# KiCad board Thor_20_expansion.kicad_pcb (continued)
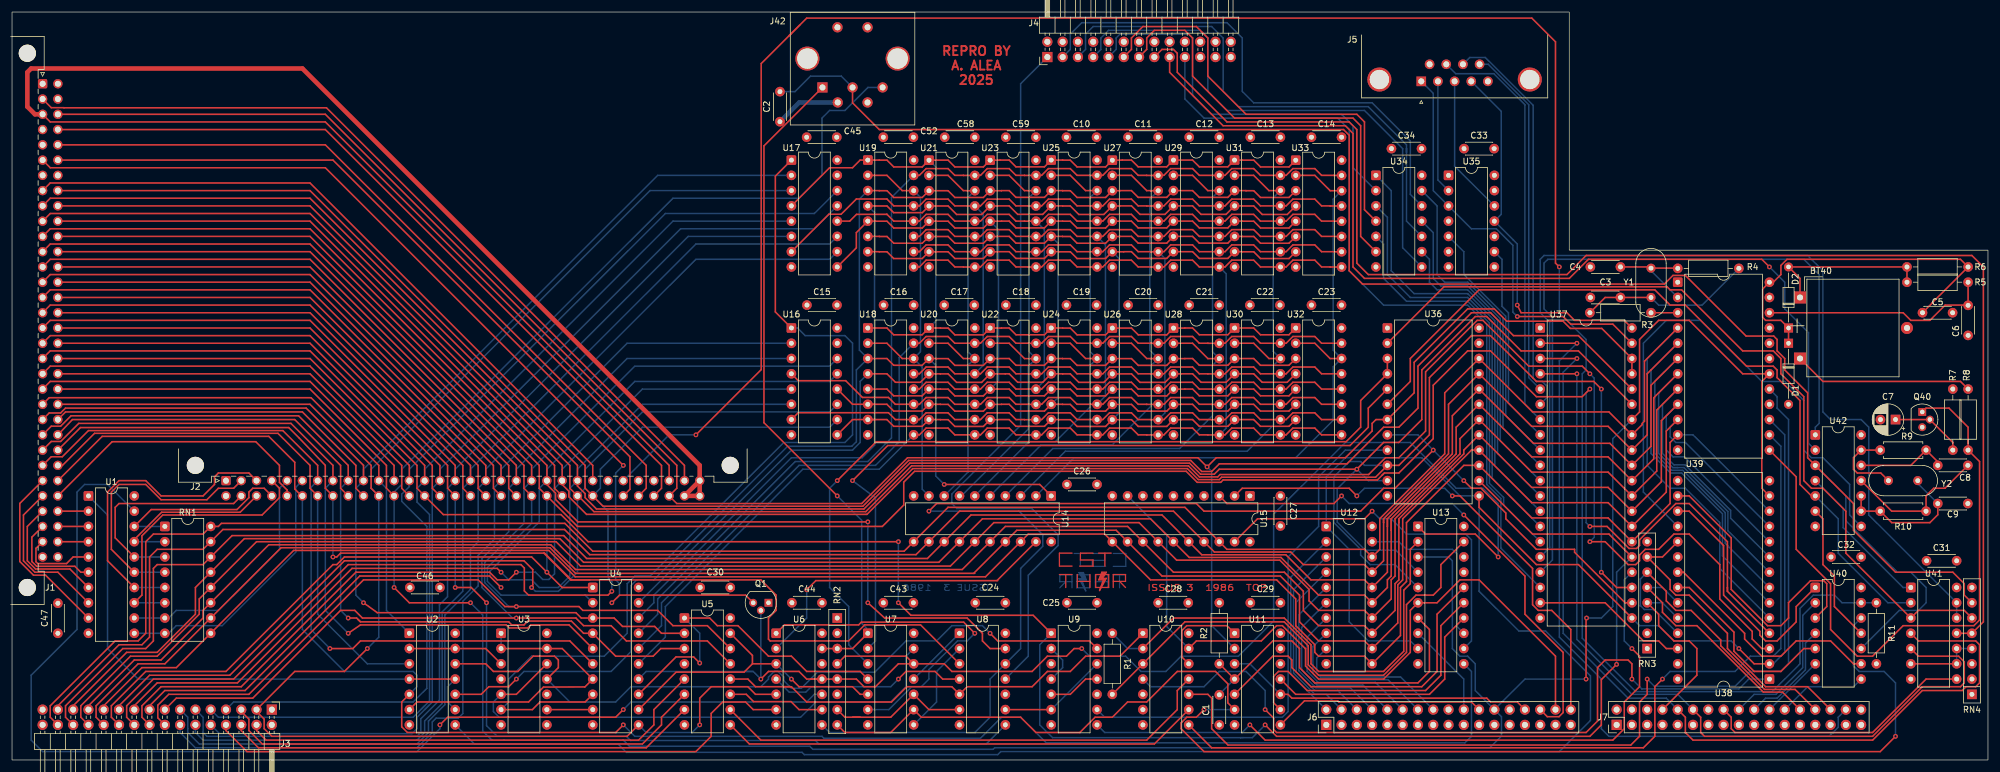
[diagram p0: board, top side]
## Nets (continued)
/Memory/RAS2BK1: U4.16 U18.15 U20.15 U22.15 U24.15 U26.15 U28.15 U30.15 U32.15
/Memory/RD0: U14.9 U18.2 U18.14 U19.2 U19.14
/Memory/RD1: U14.8 U20.2 U20.14 U21.2 U21.14
/Memory/RD2: U14.7 U22.2 U22.14 U23.2 U23.14
/Memory/RD3: U14.6 U24.2 U24.14 U25.2 U25.14
/Memory/RD4: U14.5 U26.2 U26.14 U27.2 U27.14
/Memory/RD5: U14.4 U28.2 U28.14 U29.2 U29.14
/Memory/RD6: U14.3 U30.2 U30.14 U31.2 U31.14
/Memory/RD7: U14.2 U32.2 U32.14 U33.2 U33.14
/Periferics/STROBE: J4.1 U8.11
/RED: J1.a21 J2.a12
/ROMOE: J1.b10 J2.b23
/RW: J1.b26 J2.b7 U2.3
/SP0: J1.a4
/SP1: J1.a5
/SP2: J1.a7
/SP3: J1.b7
/VSYNC: J1.b18 J2.b15
A0: J1.b11 J2.b22 J3.22 U4.1 U38.4
A1: J1.b9 J2.b24 J3.21 U16.11 U38.3
A2: J1.b8 J2.b25 J3.20 U16.10 U37.36
A3: J1.a9 J2.a24 J3.19 U13.4 U16.6 U36.11 U37.35
A4: J1.a10 J2.a23 J3.18 U13.5 U16.5 U36.10 U37.23
A5: J1.a11 J2.a22 J3.17 U8.13 U16.13
A6: J1.a12 J2.a21 J3.16 U5.14 U16.14
A7: J1.a13 J2.a20 J3.15 U5.13 U16.3
A8: J1.a14 J2.a19 J3.14 U16.2
A9: J1.a15 J2.a18 J3.13 U17.10
A10: J1.a16 J2.a17 J3.12 U17.11
A11: J1.a17 J2.a16 J3.11 U17.6
A12: J1.a18 J2.a15 J3.10 U17.13
A13: J1.a19 J2.a14 J3.9 U17.5
A14: J1.a20 J2.a13 J3.7 U17.14
A15: J1.b22 J2.b11 J3.3 U4.11 U6.5 U17.3
A16: J1.a23 J2.a10 U4.3 U5.2 U17.2
A17: J1.a24 J2.a9 U4.4 U5.3
A18: J1.a25 J2.a8 U4.5
A19: J1.a26 J2.a7 U4.6
ACK_HOLD: U11.5 U13.16
BLK1: U4.12 U5.15 U6.3 U7.5
CLKCPU: J1.a22 J2.a11 U2.1
CS1: U9.8 U37.24
CS2: U9.9 U36.9
DISC: R1.2 U10.2 U13.2
DS: U2.6 U3.1 U3.2 U3.13 U4.7
DS': J1.b27 J2.b6 U2.5 U13.11
DSMC: J2.a27 R11.2 U40.13
DTACK: J1.b25 J2.b8 U8.3
E: J1.b19 J2.b14 U9.1 U36.14 U37.25
EN: Q1.2 RN2.4 RN2.5 U4.14 U6.11 U7.12 U13.1
EXTINT: J1.b3 J2.b30 U11.2 U36.7 U37.37 U37.38
FC0: J1.b12 J2.b21 U4.2
FDC_DDEN: U37.19 U38.26
FDC_DS0': J7.10 U37.3 U41.4
FDC_DS1': J7.12 U37.4 U41.5
FDC_SIDE: J7.32 U37.2
LD0: J3.30 RN1.16 U12.18 U14.11 U15.18 U36.22 U37.33 U38.5 U39.4
LD1: J3.29 RN1.15 U12.17 U14.12 U15.17 U36.21 U37.32 U38.6 U39.5
LD2: J3.28 RN1.14 U12.16 U14.13 U15.16 U36.20 U37.31 U38.7 U39.6
LD3: J3.27 RN1.13 U12.15 U14.14 U15.15 U36.19 U37.30 U38.8 U39.7
LD4: J3.26 RN1.12 U12.14 U14.15 U15.14 U36.18 U37.29 U38.9 U39.8
LD5: J3.25 RN1.11 U12.13 U14.16 U15.13 U36.17 U37.28 U38.10 U39.9
LD6: J3.24 RN1.10 U12.12 U14.17 U15.12 U36.16 U37.27 U38.11 U39.10
LD7: J3.23 RN1.9 U12.11 U14.18 U15.11 U36.15 U37.26 U38.12 U39.11
PSEL: U3.6 U4.8 U16.1 U17.1
QL_DSMC: J1.a6 Q1.3
RAM: U3.9 U4.9
RAM_RW: U2.10 U14.1 U18.3 U19.3 U20.3 U21.3 U22.3 U23.3 U24.3 U25.3 U26.3 U27.3 U28.3 U29.3 U30.3 U31.3 U32.3 U33.3
RESET: J1.b21 J2.b12 J6.24 J42.3 U13.3 U37.34 U38.13 U39.18
RTC_AS: U10.8 U39.14
RTC_DS: U10.10 U39.17
VPA: J1.b17 J2.b16 U8.8
XXX_RW: U2.8 U12.1 U13.9 U36.13 U37.21 U38.2 U39.15
Net-(BT40-+): BT40.1 D2.2 R5.2 R6.1 R8.1
Net-(C3-Pad1): C3.1 R3.1 R4.2 Y1.1
Net-(C8-Pad1): C8.1 R9.1 U42.12
Net-(C8-Pad2): C8.2 R10.1 U42.11
Net-(C9-Pad2): C9.2 R10.2 U42.9 U42.10 Y2.2
Net-(D1-K): C5.1 D1.1 D2.1 R5.1 U39.24
Net-(J4-Pin_3): J4.3 U34.12
Net-(J4-Pin_5): J4.5 U34.10
Net-(J4-Pin_7): J4.7 U34.8
Net-(J4-Pin_9): J4.9 U34.2
Net-(J4-Pin_11): J4.11 U34.4
Net-(J4-Pin_13): J4.13 U34.6
Net-(J4-Pin_15): J4.15 RN4.5 U41.11
Net-(J4-Pin_17): J4.17 U42.2
Net-(J4-Pin_19): J4.19 U37.18
Net-(J6-Pin_2): J6.2 U12.2
Net-(J6-Pin_4): J6.4 U12.3
Net-(J6-Pin_6): J6.6 U12.4
Net-(J6-Pin_8): J6.8 U12.5
Net-(J6-Pin_10): J6.10 U12.6
Net-(J6-Pin_12): J6.12 U12.7
Net-(J6-Pin_14): J6.14 U12.8
Net-(J6-Pin_16): J6.16 U12.9
Net-(J6-Pin_30): J6.30 U15.3
Net-(J6-Pin_34): J6.34 U15.2
Net-(J7-Pin_8): J7.8 RN3.4 U38.24
Net-(J7-Pin_16): J7.16 U41.8
Net-(J7-Pin_18): J7.18 U40.2
Net-(J7-Pin_20): J7.20 U40.4
Net-(J7-Pin_22): J7.22 U40.6
Net-(J7-Pin_24): J7.24 U40.8
Net-(J7-Pin_26): J7.26 RN3.5 U38.23
Net-(J7-Pin_28): J7.28 RN3.6 U38.25
Net-(J7-Pin_30): J7.30 RN3.7 U38.19
Net-(Q40-B): C7.1 Q40.2 R7.2
Net-(Q40-C): Q40.1 R8.2 U39.13
Net-(R9-Pad2): R9.2 U42.13 Y2.1
Net-(RN2B-R2.2): J42.1 RN2.3 U6.13 U7.1
Net-(RN2F-R6.2): RN2.7 U7.10 U8.6
Net-(RN2G-R7.2): RN2.8 U7.9 U11.6 U40.12
Net-(RN4C-R3.2): RN4.4 U41.6 U41.9 U41.10
Net-(RN4E-R5.2): RN4.6 U36.2 U41.3
Net-(RN4F-R6.2): C2.2 J42.2 RN4.7 U40.10 U42.3
Net-(U1-A->B): U1.1 U2.4 U2.9 U2.11
Net-(U1-CE): U1.19 U6.10
Net-(U3A-C): U2.2 U2.13 U3.3
Net-(U3A-Q): U3.5 U3.12 U7.13
Net-(U5B-O1): U5.11 U6.9
Net-(U5B-O2): U5.10 U10.11
Net-(U5B-O3): U5.9 U10.9
Net-(U6-Pad1): U6.1 U7.6
Net-(U6-Pad4): U6.4 U8.4
Net-(U7-Pad8): U7.8 U8.2
Net-(U7-Pad11): U7.11 U8.1
Net-(U9A-Q): U9.5 U9.11
Net-(U9A-~{Q}): U8.9 U9.6 U9.12
Net-(U10-Pad12): U10.12 U11.1
Net-(U12-CE): U12.19 U13.13
Net-(U13-I7): C1.2 R2.2 U11.4 U13.7
Net-(U13-IO1): R1.1 U10.3 U13.19
Net-(U13-IO5): U11.9 U13.15
Net-(U13-IO6): U11.11 U13.14
Net-(U13-IO8): U13.12 U15.19
Net-(U35A-C): J5.1 U35.3 U37.39
Net-(U35A-D): J5.2 U35.2
Net-(U35A-Q): U35.5 U37.9
Net-(U35B-C): J5.4 U35.11 U37.40
Net-(U35B-D): J5.3 U35.12
Net-(U35B-Q): U35.9 U37.8
Net-(U36-Rx_CLK): U7.3 U36.3 U36.4
Net-(U36-Tx_Data): U36.6 U41.2 U42.5
Net-(U36-~{CTS}): U6.12 U36.24
Net-(U36-~{RTS}): U7.2 U36.5
Net-(U37-PA3): J5.9 U37.5
Net-(U37-PA4): J5.8 U37.6
Net-(U37-PA5): J5.7 U37.7
Net-(U37-PB0): U34.13 U37.10
Net-(U37-PB1): U34.11 U37.11
Net-(U37-PB2): U34.9 U37.12
Net-(U37-PB3): U34.1 U37.13
Net-(U37-PB4): U34.3 U37.14
Net-(U37-PB5): U34.5 U37.15
Net-(U37-PB6): U37.16 U41.12 U41.13
Net-(U37-PB7): U37.17 U42.1
Net-(U38-CLK): U38.18 U42.8
Net-(U38-DIRC): U38.17 U40.1
Net-(U38-STEP): U38.16 U40.3
Net-(U38-WD): U38.22 U40.5
Net-(U38-WG): U38.21 U40.9
Net-(U38-~{CS}): U10.4 U38.1
Net-(U39-PS): C6.1 R6.2 U39.22
Net-(U39-X_in): C4.1 R4.1 U39.2 Y1.2
Net-(U39-X_out): R3.2 U39.3
Net-(U40-Pad11): U40.11 U42.6
Net-(U41-Pad1): U41.1 U42.4

Pads without a net: J4 21 23 25 26; J6 18 26; J7 2 4 6 14 34; J42 0 9; RN2 2 6; RN3 2 3 8; RN4 2 3 8; U3 8; U5 4; U10 6; U11 12; U13 17 18; U35 6 8; U38 20 27 28; U39 1 16 19 20 21 23

## Via types
v1: diameter 0.8, hole 0.4, Top to Bottom, 79 vias

## Routing (per net, layer and track width the routed paths; a pad name or vN(x,y) marks a point on that pad's centre or on a via; arc(x,y) is an arc through that point)
+5V: length 6.7
  Bottom w0.25: U9.4 174.62,15.37 174.62,16.64 U9.2
+12V: length 290.2
  Top w0.25: J2.a30 109.22,49.02 52.07,106.17 6.35,106.17 J1.a3
  Top w0.75: J1.a3 3.81,107.44 2.54,108.71 2.54,114.43 3.17,115.06 48.26,115.06 114.3,49.02 J2.a32 ; J2.a32 J2.b32 J2.b31 J2.a32
-12V: length 134.5
  Top w0.25: J2.a31 111.76,49.02 52.25,108.53 8.64,108.53 8.62,108.54 6.52,108.54 J1.a2
GND: length 10.9
  Bottom w0.75: C2.1 130.83,109.41 J42.4
68XX: length 226.2
  Top w0.25: v1(241.3,46.48) 242.57,45.21 244.16,45.21 248.28,41.09 248.28,40.13 253.36,35.05 259.72,35.05 259.72,34.56 268.11,26.16 U37.22 ; v1(152.4,41.4) 153.67,42.67 196.85,42.67 198.12,41.4 224.16,41.4 227.97,45.21 229.87,45.21 v1(236.22,51.56)
  Bottom w0.25: U36.8 233.68,54.1 v1(236.22,51.56) v1(241.3,46.48) ; v1(152.4,41.4) 167.39,41.4 171.32,37.47 171.32,35.56 167.64,31.88 167.64,18.54 162.56,13.46 162.56,7.11 160.02,4.57 135.89,4.57 U6.8
/AS: length 47.8
  Top w0.25: J1.b28 16.64,52.96 40.51,52.96 44.45,49.02 44.45,46.19 45.72,44.92 J2.b5
/BERR: length 125.5
  Top w0.25: J1.b5 52.07,102.36 105.41,49.02 105.41,45.21 J2.b28
/BG: length 56.8
  Top w0.25: J1.b24 10.03,56.64 46.99,56.64 54.61,49.02 54.61,45.21 J2.b9
/BLUE: length 87
  Top w0.25: J2.b18 77.47,45.21 77.47,49.02 49.53,76.96 J1.b15
/BR: length 59.3
  Top w0.25: J2.b10 57.15,45.21 57.15,49.02 48.26,57.91 8.89,57.91 J1.b23
/CSYNC: length 69.1
  Top w0.25: J1.b20 49.53,64.26 64.77,49.02 64.77,45.21 J2.b13
/D0: length 5.1
  Top w0.25: J1.b29 12.7,41.4
/D1: length 5.1
  Top w0.25: J1.b30 U1.3
/D2: length 5.1
  Top w0.25: J1.b31 U1.4
/D3: length 13.1
  Top w0.25: 12.7,33.78 10.16,33.78 9.06,32.68 4.28,32.68 3.98,32.98 3.98,35.22 J1.a31
/D4: length 16.7
  Top w0.25: J1.a30 3.3,37.08 3.3,33.02 4.09,32.23 10.44,32.23 11.43,31.24 12.7,31.24
/D5: length 21.3
  Top w0.25: J1.a29 2.54,38.86 2.54,33.14 3.9,31.78 9.62,31.78 U1.7
/D6: length 25.8
  Top w0.25: J1.a28 1.9,40.76 1.9,33.14 3.8,31.24 7.62,31.24 U1.8
/D7: length 30.3
  Top w0.25: 12.7,23.62 5.57,30.75 3.57,30.75 1.28,33.03 1.28,42.69 J1.a27
/D'0: length 32.3
  Top w0.25: J2.b4 41.91,45.21 40.01,45.21 39.37,44.58 39.37,43.66 37.38,41.67 23.13,41.67 U1.18
  Bottom w0.25: U1.18 26.03,38.86
/D'1: length 29
  Top w0.25: 20.32,36.67 24.87,41.22 37.92,41.22 J2.b3
  Bottom w0.25: U1.17 26.03,36.32
/D'2: length 36.1
  Top w0.25: J2.b2 36.83,42.67 17.78,42.67 17.15,42.04 17.15,36.96 19.69,34.42
  Bottom w0.25: 20.32,33.78 26.03,33.78
/D'3: length 44.2
  Top w0.25: J2.a2 36.83,45.21 34.29,45.21 32.38,43.31 24.77,43.31 22.23,45.85 17.78,45.85 16.51,44.58 16.51,35.05 19.69,31.88
  Bottom w0.25: 20.32,31.24 26.03,31.24
/D'4: length 52
  Top w0.25: J2.a3 39.37,47.75 34.29,47.75 33.66,47.12 33.66,45.85 31.75,43.94 24.77,43.94 22.23,46.48 17.78,46.48 15.88,44.58 15.88,33.15 19.69,29.34
  Bottom w0.25: U1.14 26.03,28.7
/D'5: length 46.2
  Top w0.25: J2.a4 44.45,45.21 44.45,43.66 41.56,40.77 25.05,40.77 21.59,37.3 21.59,27.43 U1.13
  Bottom w0.25: U1.13 26.03,26.16
/D'6: length 40.8
  Bottom w0.25: 20.32,23.62 26.03,23.62 27.3,24.89 34.29,24.89 44.45,35.05 44.45,45.21 J2.a5
/D'7: length 44.8
  Bottom w0.25: J2.a6 47.16,45.38 47.16,34.59 34.93,22.35 27.3,22.35 26.03,21.08 20.32,21.08
/DBG: length 114
  Top w0.25: J1.a8 6.35,96.01 49.53,96.01 96.52,49.02 J2.a25
/discs interfaces/SCSI_ACK: length 35.3
  Top w0.25: J6.22 242.57,9.65 220.53,9.65 220.34,9.84 214.81,9.84 U11.8
/discs interfaces/SCSI_BUSY: length 15.9
  Bottom w0.25: J6.20 241.3,13.46 U13.8
/discs interfaces/SCSI_REQ: length 122.6
  Top w0.25: J6.32 256.54,17.27 243.84,29.97 240.66,29.97 236.85,26.16 U13.6 232.41,24.89 232.41,17.91 227.97,13.46 217.16,13.46 215,15.63 215,18.54 214.95,18.54 211.14,22.35 210.19,22.35 207.64,19.81 196.85,19.81 U10.13
  Bottom w0.25: U10.13 191.91,22.21 191.91,37.45 U15.9
/discs interfaces/SCSI_SEL: length 51.4
  Top w0.25: U11.10 212.09,10.92 212.72,10.29 245.11,10.29 245.74,9.65 250.19,9.65 J6.28
  Bottom w0.25: U11.10 205.74,16 U11.3
/FC1: length 94.2
  Top w0.25: J1.b13 49.53,82.04 82.55,49.02 82.55,45.21 J2.b20
/FC2: length 90.6
  Top w0.25: J2.b19 80.01,45.21 80.01,49.02 49.53,79.5 J1.b14
/Glue Logic/CLK_B: length 125.6
  Top w0.25: U3.11 90.81,15.37 90.81,16.64 90.17,17.27 86.61,17.27 84.07,14.73 80.01,14.73 78.74,16 U2.12 ; U9.13 179.07,19.81 163.83,19.81 v1(162.56,21.08)
  Bottom w0.25: v1(162.56,21.08) 161.29,22.35 156.21,22.35 153.67,19.81 148.59,19.81 143.38,14.6 133.86,14.6 131.19,11.94 129.54,11.94 128.27,13.21 128.27,13.78 127.32,14.73 126.68,14.73 125.73,13.78 125.73,13.46 124.46,12.19 102.87,12.19 100.33,9.65 92.71,9.65 U3.11
/Glue Logic/~{DISC}: length 77.1
  Top w0.25: 128.27,12.19 123.57,12.19 122.3,13.46 U5.12 ; 128.27,12.19 129.41,12.19 ; 128.27,12.19 129.54,12.19 132.08,9.65 146.18,9.65 148.72,12.19 156.21,12.19 U8.5 158.75,12.19 169.55,12.19 172.09,14.73 175.89,14.73 178.44,17.27 184.15,17.27 U10.1
/GREEN: length 83.4
  Top w0.25: J2.b17 74.93,45.21 74.93,49.02 49.53,74.42 J1.b16
/IPL0: length 122.5
  Top w0.25: J1.b6 53.34,99.82 102.7,50.46 102.7,45.04 J2.b27
/IPL1: length 129.1
  Top w0.25: J1.b4 52.07,104.9 107.95,49.02 107.95,45.21 J2.b29
/Memory/A15': length 99.7
  Top w0.25: U6.6 123.19,8.38 121.92,9.65 118.11,9.65 116.2,7.75 116.2,3.94 113.66,1.4 39.05,1.4 35.56,4.89 35.56,5.52
/Memory/BLK0: length 56.5
  Top w0.25: U7.4 140.97,14.73 132.08,14.73 129.54,17.27 125.73,17.27 120.65,22.35 117.22,22.35 115.95,23.62 U5.1 ; U4.13 110.36,17.14 113.28,17.14 v1(114.3,16.13)
  Bottom w0.25: U5.1 114.3,21.08 114.3,16
/Memory/CAS2BK0: length 179.9
  Top w0.25: 190.5,97.28 191.45,97.28 192.57,98.41 196.22,98.41 197.34,97.28 U29.15 201.61,97.28 202.73,98.41 206.38,98.41 207.5,97.28 U31.15 211.77,97.28 212.89,98.41 216.53,98.41 217.66,97.28 219.71,97.28 219.72,97.27 U33.15 ; U21.15 158.13,97.27 158.11,97.28 156.7,97.28 155.57,98.41 151.93,98.41 150.81,97.28 U19.15 ; U23.15 168.29,97.27 168.28,97.28 166.86,97.28 165.73,98.41 162.09,98.41 160.97,97.28 160.02,97.28 ; 170.18,97.28 171.13,97.28 172.25,98.41 175.89,98.41 177.02,97.28 U25.15 181.29,97.28 182.41,98.41 186.06,98.41 187.18,97.28 188.59,97.28 188.61,97.27 U27.15
  Bottom w0.25: U4.17 107.31,24.26 107.31,26.8 130.17,49.66 142.24,49.66 146.18,53.59 146.18,93.6 U19.15
/Memory/CAS2BK1: length 139.2
  Top w0.25: U32.4 211.94,62.85 207.79,62.85 206.38,64.26 U30.4 201.78,62.85 197.63,62.85 196.22,64.26 194.31,64.26 194.29,64.25 U28.4 191.63,62.83 187.48,62.83 186.06,64.25 U26.4 181.47,62.83 177.31,62.83 175.89,64.25 174.62,64.25 174.61,64.26 U24.4 171.31,62.85 167.15,62.85 165.73,64.26 165.1,64.26 165.08,64.25 U22.4 161.16,62.83 157,62.83 155.58,64.25 154.31,64.25 154.29,64.26 U20.4 150.98,62.85 146.83,62.85 145.41,64.26 U18.4
  Bottom w0.25: U4.19 129.54,51.56 139.7,51.56 140.97,52.83 140.97,62.99 U18.4
/Memory/NS1: length 78.4
  Top w0.25: 40.64,5.84 40.64,4.89 42.23,3.3 104.14,3.3 106.68,5.84 106.68,8.38 U5.5
/Memory/NS2: length 81.2
  Top w0.25: U5.6 107.95,7.11 107.95,5.84 104.78,2.67 41.59,2.67 39.37,4.89 39.37,6.79 38.1,8.06
/Memory/NS3: length 78.1
  Top w0.25: U5.7 105.41,2.03 40.96,2.03 38.1,4.89 38.1,5.52
/Memory/RA0: length 194.2
  Top w0.25: U17.9 140.33,85.22 140.33,87.76 U19.5 143.5,89.66 143.52,89.65 145.42,89.65 146.55,88.52 151.28,88.52 U21.5 155.58,89.65 156.71,88.52 161.44,88.52 U23.5 164.45,89.65 164.47,89.66 165.73,89.66 166.86,88.54 171.59,88.54 U25.5 174.61,89.66 174.62,89.65 175.89,89.65 177.02,88.52 181.75,88.52 U27.5 184.13,89.65 184.15,89.66 186.06,89.66 187.18,88.54 191.91,88.54 U29.5 196.22,89.66 197.34,88.54 202.07,88.54 U31.5 204.47,89.66 204.48,89.65 206.38,89.65 207.51,88.52 212.25,88.52 U33.5 ; U18.5 145.41,61.72 146.54,60.6 151.28,60.6 U20.5 154.29,61.72 154.31,61.71 155.58,61.71 156.71,60.58 161.44,60.58 U22.5 163.81,61.71 163.83,61.72 165.73,61.72 166.86,60.6 171.59,60.6 U24.5 173.97,61.72 173.99,61.71 175.89,61.71 177.02,60.58 181.75,60.58 U26.5 186.06,61.71 187.19,60.58 191.92,60.58 U28.5 194.93,61.71 194.94,61.72 196.22,61.72 197.34,60.6 202.07,60.6 U30.5 206.38,61.72 207.5,60.6 212.23,60.6 U32.5
  Bottom w0.25: U23.5 163.96,88.26 163.96,63.09 U22.5
/Memory/RA1: length 191.6
  Top w0.25: U16.12 139.7,59.18 143.51,59.18 ; U19.6 144.13,87.12 144.14,87.11 145.42,87.11 146.55,85.98 151.28,85.98 U21.6 155.58,87.11 156.71,85.98 161.44,85.98 U23.6 163.81,87.11 163.83,87.12 165.73,87.12 166.86,86 171.59,86 U25.6 174.61,87.12 174.62,87.11 175.89,87.11 177.02,85.98 181.75,85.98 U27.6 184.13,87.11 184.15,87.12 186.06,87.12 187.18,86 191.91,86 U29.6 196.22,87.12 197.34,86 202.07,86 U31.6 204.47,87.12 204.48,87.11 206.38,87.11 207.51,85.98 212.25,85.98 U33.6 ; 142.24,59.18 145.41,59.18 146.54,58.06 151.28,58.06 152.4,59.18 154.29,59.18 154.31,59.17 155.58,59.17 156.71,58.04 161.44,58.04 U22.6 164.45,59.17 164.47,59.18 165.73,59.18 166.86,58.06 171.59,58.06 172.72,59.18 174.61,59.18 174.62,59.17 175.89,59.17 177.02,58.04 181.75,58.04 U26.6 186.06,59.17 187.19,58.04 191.92,58.04 U28.6 194.29,59.17 194.31,59.18 196.22,59.18 197.34,58.06 202.07,58.06 203.2,59.18 206.38,59.18 207.5,58.06 212.23,58.06 213.36,59.18
  Bottom w0.25: 172.72,59.18 173.85,60.31 173.85,86 U25.6
/Memory/RA2: length 191.6
  Top w0.25: 143.51,56.64 139.7,56.64 U16.9 ; U32.7 212.23,55.52 207.5,55.52 206.38,56.64 U30.7 202.07,55.52 197.34,55.52 196.22,56.64 194.31,56.64 194.29,56.63 U28.7 191.92,55.5 187.19,55.5 186.06,56.63 U26.7 181.75,55.5 177.02,55.5 175.89,56.63 173.99,56.63 173.97,56.64 U24.7 171.59,55.52 166.86,55.52 165.73,56.64 163.83,56.64 163.81,56.63 U22.7 161.44,55.5 156.71,55.5 155.58,56.63 154.31,56.63 154.29,56.64 U20.7 151.28,55.52 146.54,55.52 145.41,56.64 U18.7 ; U33.7 212.25,83.44 207.51,83.44 206.38,84.57 204.48,84.57 204.47,84.58 U31.7 202.07,83.46 197.34,83.46 196.22,84.58 U29.7 191.91,83.46 187.18,83.46 186.06,84.58 184.78,84.58 184.77,84.57 U27.7 181.75,83.44 177.02,83.44 175.89,84.57 173.99,84.57 173.97,84.58 U25.7 171.59,83.46 166.86,83.46 165.73,84.58 163.83,84.58 163.81,84.57 U23.7 161.44,83.44 156.71,83.44 155.58,84.57 U21.7 151.28,83.44 146.55,83.44 145.42,84.57 144.14,84.57 144.13,84.58 U19.7
  Bottom w0.25: U27.7 184.01,83.44 184.01,57.75 U26.7
/Memory/RA3: length 198.1
  Top w0.25: U18.12 150.81,61.72 151.93,62.85 155.57,62.85 156.7,61.72 U20.12 160.97,61.72 162.09,62.85 165.73,62.85 166.86,61.72 168.91,61.72 168.92,61.71 U22.12 ; U27.12 189.25,89.65 189.23,89.66 187.18,89.66 186.06,90.79 182.41,90.79 181.29,89.66 U25.12 177.02,89.66 175.89,90.79 172.25,90.79 171.13,89.66 170.18,89.66 ; U17.12 139.23,89.66 140.35,90.79 145.4,90.79 145.41,90.8 146.56,89.66 U19.12 150.81,89.66 151.93,90.79 155.57,90.79 156.7,89.66 160.01,89.66 ; 190.5,89.66 191.45,89.66 192.57,90.79 196.22,90.79 197.34,89.66 U29.12 201.61,89.66 202.73,90.79 206.38,90.79 207.5,89.66 U31.12 211.77,89.66 212.89,90.79 216.53,90.79 217.66,89.66 219.71,89.66 219.72,89.65 U33.12 ; 170.18,61.72 171.13,61.72 172.25,62.85 175.89,62.85 177.02,61.72 U24.12 181.29,61.72 182.41,62.85 186.06,62.85 187.18,61.72 189.23,61.72 189.25,61.71 U26.12 ; 160.02,89.66 160.97,89.66 162.09,90.79 165.73,90.79 166.86,89.66 168.28,89.66 168.29,89.65 U23.12 ; 200.66,61.72 201.61,61.72 202.73,62.85 206.38,62.85 207.5,61.72 U30.12 211.77,61.72 212.89,62.85 216.53,62.85 217.66,61.72 U32.12 ; 190.5,61.72 191.45,61.72 192.57,62.85 196.22,62.85 197.34,61.72 199.39,61.72 199.41,61.71 U28.12
  Bottom w0.25: U22.12 171.58,63.09 171.58,88.26 U23.12
/Memory/RA4: length 206.9
  Top w0.25: U19.11 150.81,87.12 151.93,88.25 155.57,88.25 156.7,87.12 158.75,87.12 158.76,87.11 U21.11 ; 170.18,87.12 171.13,87.12 172.25,88.25 175.89,88.25 177.02,87.12 U25.11 181.29,87.12 182.41,88.25 186.06,88.25 187.18,87.12 189.23,87.12 189.25,87.11 U27.11 ; 200.66,59.18 201.61,59.18 202.73,60.31 206.38,60.31 207.5,59.18 211.77,59.18 212.89,60.31 216.53,60.31 217.66,59.18 220.98,59.18 ; U33.11 219.72,87.11 219.71,87.12 217.66,87.12 216.53,88.25 212.89,88.25 211.77,87.12 U31.11 207.5,87.12 206.38,88.25 202.73,88.25 201.61,87.12 U29.11 197.34,87.12 196.22,88.25 192.57,88.25 191.45,87.12 190.5,87.12 ; U16.4 130.68,63.12 138.56,63.12 141.35,60.32 145.67,60.32 146.81,59.18 150.81,59.18 151.93,60.31 155.57,60.31 156.7,59.18 160.97,59.18 162.09,60.31 165.73,60.31 166.86,59.18 168.91,59.18 168.92,59.17 U22.11 ; U28.11 199.41,59.17 199.39,59.18 197.34,59.18 196.22,60.31 192.57,60.31 191.45,59.18 190.5,59.18 ; U26.11 188.61,59.17 188.59,59.18 187.18,59.18 186.06,60.31 182.41,60.31 181.29,59.18 177.02,59.18 175.89,60.31 172.25,60.31 171.13,59.18 170.18,59.18 ; U23.11 168.92,87.11 168.91,87.12 166.86,87.12 165.73,88.25 162.09,88.25 160.97,87.12 160.02,87.12
  Bottom w0.25: U25.11 181.74,85.72 181.74,60.58 180.34,59.18
/Memory/RA5: length 205.5
  Top w0.25: U21.10 158.76,84.57 158.75,84.58 156.7,84.58 155.57,85.71 151.93,85.71 150.81,84.58 U19.10 ; 160.02,84.58 160.97,84.58 162.09,85.71 165.73,85.71 166.86,84.58 168.91,84.58 168.92,84.57 U23.10 ; 190.5,84.58 191.45,84.58 192.57,85.71 196.22,85.71 197.34,84.58 U29.10 201.61,84.58 202.73,85.71 206.38,85.71 207.5,84.58 U31.10 211.77,84.58 212.89,85.71 216.53,85.71 217.66,84.58 219.71,84.58 219.72,84.57 U33.10 ; U22.10 168.29,56.63 168.28,56.64 166.86,56.64 165.73,57.77 162.09,57.77 160.97,56.64 U20.10 156.7,56.64 155.57,57.77 151.93,57.77 150.81,56.64 U18.10 146.81,56.64 145.67,57.78 130.68,57.78 U16.7 ; U28.10 199.41,56.63 199.39,56.64 197.34,56.64 196.22,57.77 192.57,57.77 191.45,56.64 190.5,56.64 ; U26.10 189.25,56.63 189.23,56.64 187.18,56.64 186.06,57.77 182.41,57.77 181.29,56.64 U24.10 177.02,56.64 175.89,57.77 172.25,57.77 171.13,56.64 170.18,56.64 ; U32.10 217.66,56.64 216.53,57.77 212.89,57.77 211.77,56.64 U30.10 207.5,56.64 206.38,57.77 202.73,57.77 201.61,56.64 200.66,56.64 ; U27.10 189.25,84.57 189.23,84.58 187.18,84.58 186.06,85.71 182.41,85.71 181.29,84.58 U25.10 177.02,84.58 175.89,85.71 172.25,85.71 171.13,84.58 170.18,84.58
  Bottom w0.25: U27.10 191.63,83.44 191.63,57.75 U26.10
/Memory/RA6: length 208.9
  Top w0.25: U26.13 189.25,64.25 189.23,64.26 187.18,64.26 186.06,65.39 182.41,65.39 181.29,64.26 U24.13 177.02,64.26 175.89,65.39 172.25,65.39 171.13,64.26 170.18,64.26 ; 200.66,64.26 201.61,64.26 202.73,65.39 206.38,65.39 207.5,64.26 U30.13 211.77,64.26 212.89,65.39 216.53,65.39 217.66,64.26 U32.13 ; U21.13 158.76,92.19 158.75,92.2 156.7,92.2 155.57,93.33 151.93,93.33 150.81,92.2 U19.13 146.56,92.2 145.41,93.34 140.33,93.34 137.79,90.8 135.76,90.8 U17.7 ; U28.13 198.77,64.25 198.75,64.26 197.34,64.26 196.22,65.39 192.57,65.39 191.45,64.26 190.5,64.26 ; 160.02,92.2 160.97,92.2 162.09,93.33 165.73,93.33 166.86,92.2 168.91,92.2 168.92,92.19 U23.13 ; U33.13 219.09,92.19 219.07,92.2 217.66,92.2 216.53,93.33 212.89,93.33 211.77,92.2 U31.13 207.5,92.2 206.38,93.33 202.73,93.33 201.61,92.2 U29.13 197.34,92.2 196.22,93.33 192.57,93.33 191.45,92.2 190.5,92.2 ; U18.13 150.81,64.26 151.93,65.39 155.57,65.39 156.7,64.26 U20.13 160.97,64.26 162.09,65.39 165.73,65.39 166.86,64.26 168.91,64.26 168.92,64.25 U22.13 ; 170.18,92.2 171.13,92.2 172.25,93.33 175.89,93.33 177.02,92.2 U25.13 181.29,92.2 182.41,93.33 186.06,93.33 187.18,92.2 188.59,92.2 188.61,92.19 U27.13
  Bottom w0.25: U21.13 161.42,90.8 161.42,65.66 U20.13
/Memory/RA7: length 248.7
  Top w0.25: 170.18,54.1 171.13,54.1 172.25,55.23 175.89,55.23 177.02,54.1 U24.9 181.29,54.1 182.41,55.23 186.06,55.23 187.18,54.1 188.59,54.1 188.61,54.09 U26.9 ; U23.9 168.92,82.03 168.91,82.04 166.86,82.04 165.73,83.17 162.09,83.17 160.97,82.04 160.02,82.04 ; 200.66,54.1 201.61,54.1 202.73,55.23 206.38,55.23 207.5,54.1 U30.9 211.77,54.1 212.89,55.23 216.53,55.23 217.66,54.1 U32.9 ; 190.5,54.1 191.45,54.1 192.57,55.23 196.22,55.23 197.34,54.1 198.75,54.1 198.77,54.09 U28.9 ; U18.9 150.81,54.1 151.93,55.23 155.57,55.23 156.7,54.1 U20.9 160.97,54.1 162.09,55.23 165.73,55.23 166.86,54.1 168.91,54.1 168.92,54.09 U22.9 ; 170.18,82.04 171.13,82.04 172.25,83.17 175.89,83.17 177.02,82.04 U25.9 181.29,82.04 182.41,83.17 186.06,83.17 187.18,82.04 189.23,82.04 189.25,82.03 U27.9 ; U21.9 158.13,82.03 158.11,82.04 156.7,82.04 155.57,83.17 151.93,83.17 150.81,82.04 U19.9 ; 190.5,82.04 191.45,82.04 192.57,83.17 196.22,83.17 197.34,82.04 U29.9 201.61,82.04 202.73,83.17 206.38,83.17 207.5,82.04 U31.9 211.77,82.04 212.89,83.17 216.53,83.17 217.66,82.04 219.07,82.04 219.09,82.03 U33.9
  Bottom w0.25: U28.9 201.79,55.21 201.79,80.91 U29.9 ; 104.14,16 108.58,20.45 108.58,25.53 131.44,48.39 144.14,48.39 U18.9
/Memory/RA8: length 200.1
  Top w0.25: U18.1 145.41,71.88 146.54,70.76 151.28,70.76 U20.1 154.29,71.88 154.31,71.87 155.58,71.87 156.71,70.74 161.44,70.74 U22.1 164.45,71.87 164.47,71.88 165.73,71.88 166.86,70.76 171.59,70.76 U24.1 174.61,71.88 174.62,71.87 175.89,71.87 177.02,70.74 181.75,70.74 U26.1 186.06,71.87 187.19,70.74 191.92,70.74 U28.1 194.93,71.87 194.94,71.88 196.22,71.88 197.34,70.76 202.07,70.76 U30.1 206.38,71.88 207.5,70.76 212.23,70.76 U32.1 ; U17.4 135.89,98.55 139.7,98.55 140.97,99.82 U19.1 144.13,99.82 144.14,99.81 145.42,99.81 146.55,98.68 151.28,98.68 U21.1 155.58,99.81 156.71,98.68 161.44,98.68 U23.1 164.2,99.81 164.21,99.82 165.73,99.82 166.86,98.7 171.59,98.7 U25.1 174.61,99.82 174.62,99.81 175.89,99.81 177.02,98.68 181.75,98.68 U27.1 184.52,99.81 184.53,99.82 186.06,99.82 187.18,98.7 191.91,98.7 U29.1 196.22,99.82 197.34,98.7 202.07,98.7 U31.1 204.47,99.82 204.48,99.81 206.38,99.81 207.51,98.68 212.25,98.68 U33.1
  Bottom w0.25: U20.1 153.53,73.02 153.53,98.68 U21.1
/Memory/RAM_EN: length 53.4
  Top w0.25: v1(132.08,28.32) 133.6,29.84 163.83,29.84 ; 163.7,29.84 U14.19
  Bottom w0.25: v1(132.08,28.32) 132.08,23.62 U6.2
/Memory/RAS2BK0: length 171.3
  Top w0.25: U19.4 143.51,92.2 143.53,92.19 145.42,92.19 146.53,91.08 151.3,91.08 U21.4 155.58,92.19 157,90.77 161.16,90.77 U23.4 163.81,92.19 163.83,92.2 165.73,92.2 167.15,90.79 171.31,90.79 U25.4 174.61,92.2 174.62,92.19 175.89,92.19 177.31,90.77 181.47,90.77 U27.4 184.13,92.19 184.15,92.2 186.06,92.2 187.47,90.79 191.62,90.79 U29.4 196.22,92.2 197.63,90.79 201.78,90.79 U31.4 204.47,92.2 204.48,92.19 206.38,92.19 207.8,90.77 211.95,90.77 U33.4
  Bottom w0.25: U19.4 143.36,91.08 143.36,52.37 141.29,50.29 129.54,50.29 106.68,27.43 106.68,26.16 U4.18
/Memory/RAS2BK1: length 154.9
  Top w0.25: U22.15 168.92,69.33 168.91,69.34 166.86,69.34 165.73,70.47 162.09,70.47 160.97,69.34 156.7,69.34 155.57,70.47 151.93,70.47 150.81,69.34 149.86,69.34 ; 200.66,69.34 201.61,69.34 202.73,70.47 206.38,70.47 207.5,69.34 211.77,69.34 212.89,70.47 216.53,70.47 217.66,69.34 220.98,69.34 ; U26.15 189.25,69.33 189.23,69.34 187.18,69.34 186.06,70.47 182.41,70.47 181.29,69.34 177.02,69.34 175.89,70.47 172.25,70.47 171.13,69.34 170.18,69.34 ; 190.5,69.34 191.45,69.34 192.57,70.47 196.22,70.47 197.34,69.34 198.75,69.34 198.77,69.33 U28.15
  Bottom w0.25: U4.16 107.95,22.35 107.95,26.16 130.81,49.02 143.51,49.02 147.45,52.96 147.45,66.93 149.86,69.34
/Memory/RD0: length 70.1
  Top w0.25: U19.2 145.41,97.28 147.95,94.74 U19.14 ; U18.14 147.95,66.8 145.41,69.34 142.24,69.34
  Bottom w0.25: U14.9 151.28,45.07 151.28,65.39 U18.14 150.98,67.93 150.98,93.62 U19.14
/Memory/RD1: length 71.2
  Top w0.25: U21.14 158.76,94.73 158.75,94.74 158.11,94.74 155.57,97.28 152.4,97.28 ; U20.14 158.11,66.8 155.57,69.34 152.4,69.34
  Bottom w0.25: U14.8 158.89,47.9 158.89,65.68 U20.14 158.89,67.93 158.89,93.59 U21.14
/Memory/RD2: length 74.3
  Top w0.25: U23.14 168.92,94.73 168.91,94.74 168.28,94.74 165.73,97.28 162.56,97.28 ; U22.14 168.29,66.79 165.73,69.34 162.56,69.34
  Bottom w0.25: U23.14 169.04,93.57 169.04,67.94 U22.14 168.91,65.51 168.91,55.06 157.8,43.94
/Memory/RD3: length 80.1
  Top w0.25: U25.14 178.44,94.74 175.89,97.28 U25.2 ; U24.14 178.44,66.8 175.89,69.34 172.72,69.34
  Bottom w0.25: U14.6 168.98,52.9 173.35,52.9 179.2,58.74 179.2,65.66 U24.14 179.2,67.94 179.2,93.6 U25.14
/Memory/RD4: length 87.8
  Top w0.25: U26.14 189.25,66.79 189.23,66.8 188.59,66.8 186.06,69.34 182.88,69.34 ; 182.88,97.28 186.06,97.28 188.59,94.74 189.23,94.74 189.25,94.73 U27.14
  Bottom w0.25: U27.14 189.1,93.33 189.1,68.18 U26.14 189.36,65.64 189.36,58.93 182.88,52.45 171.07,52.45 U14.5
/Memory/RD5: length 96.2
  Top w0.25: U28.14 198.77,66.79 196.22,69.34 193.04,69.34 ; U29.2 196.22,97.28 198.75,94.74 U29.14
  Bottom w0.25: U14.4 172.98,51.83 194.07,51.83 199.52,57.28 199.52,65.63 U28.14 199.53,67.92 199.53,93.62 U29.14
/Memory/RD6: length 104.7
  Top w0.25: 203.2,69.34 206.38,69.34 208.91,66.8 U30.14 ; U31.2 206.38,97.28 208.91,94.74 U31.14
  Bottom w0.25: U31.14 209.61,93.54 209.61,68.01 U30.14 209.68,65.66 209.68,55.75 205.3,51.38 175.07,51.38 U14.3
/Memory/RD7: length 111.9
  Top w0.25: U33.14 219.09,94.73 216.53,97.28 213.36,97.28 ; 213.36,69.34 216.53,69.34 219.07,66.8 U32.14
  Bottom w0.25: U33.14 219.58,93.32 219.58,68.2 U32.14 219.58,65.41 219.58,56.51 213.36,50.29 176.53,50.29 U14.2
/Periferics/STROBE: length 128.3
  Bottom w0.25: U8.11 168.91,17.27 168.91,30.73 173.86,35.69 173.86,37.47 169.47,41.85 157.03,41.85 156.21,42.67 156.21,44.26 167.64,55.69 167.64,112.52 J4.1
/RED: length 67.3
  Top w0.25: J2.a12 63.5,49.02 49.53,62.99 6.35,62.99 J1.a21
/ROMOE: length 105
  Top w0.25: J1.b10 49.53,89.66 90.17,49.02 90.17,45.21 J2.b23
/RW: length 90.3
  Top w0.25: J1.b26 8.38,49.02 13.72,54.36 44.2,54.36 49.53,49.02 49.53,45.21 J2.b7
  Bottom w0.25: U2.3 59.05,16 50.8,24.26 J2.b7
/VSYNC: length 76.3
  Top w0.25: J2.b15 69.85,45.21 69.85,49.02 49.53,69.34 J1.b18
A0: length 483.6
  Top w0.25: 285.12,28.7 285.12,28.07 U38.4 ; 285.12,28.7 285.12,28.06 ; 285.12,28.7 285.12,36.32 278.77,42.67 276.54,42.67 270.51,36.64 270.51,35.69 270.02,35.2 268.77,35.2 265.11,38.86 v1(262.25,38.86) ; 17.78,5.84 16.51,7.11 16.51,9.02 22.23,14.73 35.56,14.73 53.34,32.51 53.97,32.51 55.24,33.78 86.36,33.78 v1(88.9,31.24) 91.44,28.7 U4.1 ; 227.71,47.37 227.97,47.62 ; 227.71,47.37 228.09,47.75 230.5,47.75 236.22,53.47 236.22,62.36 241.93,68.07 245.74,68.07 253.36,60.45 260.99,60.45 v1(262.25,61.72) ; 227.71,47.37 226.94,46.6 201.29,46.6 200.9,46.2 196.99,46.2 195.16,48.04 150.02,48.04 148.21,46.23 148.21,42.42 144.65,38.86 93.98,38.86 J2.b22 87.63,45.21 87.63,49.02 49.53,87.12 J1.b11
  Bottom w0.25: v1(262.25,61.72) 261.62,61.09 261.62,39.5 v1(262.25,38.86) ; J2.b22 v1(88.9,31.24)
